# KiCad board AICORS_PCB.kicad_pcb (continued)
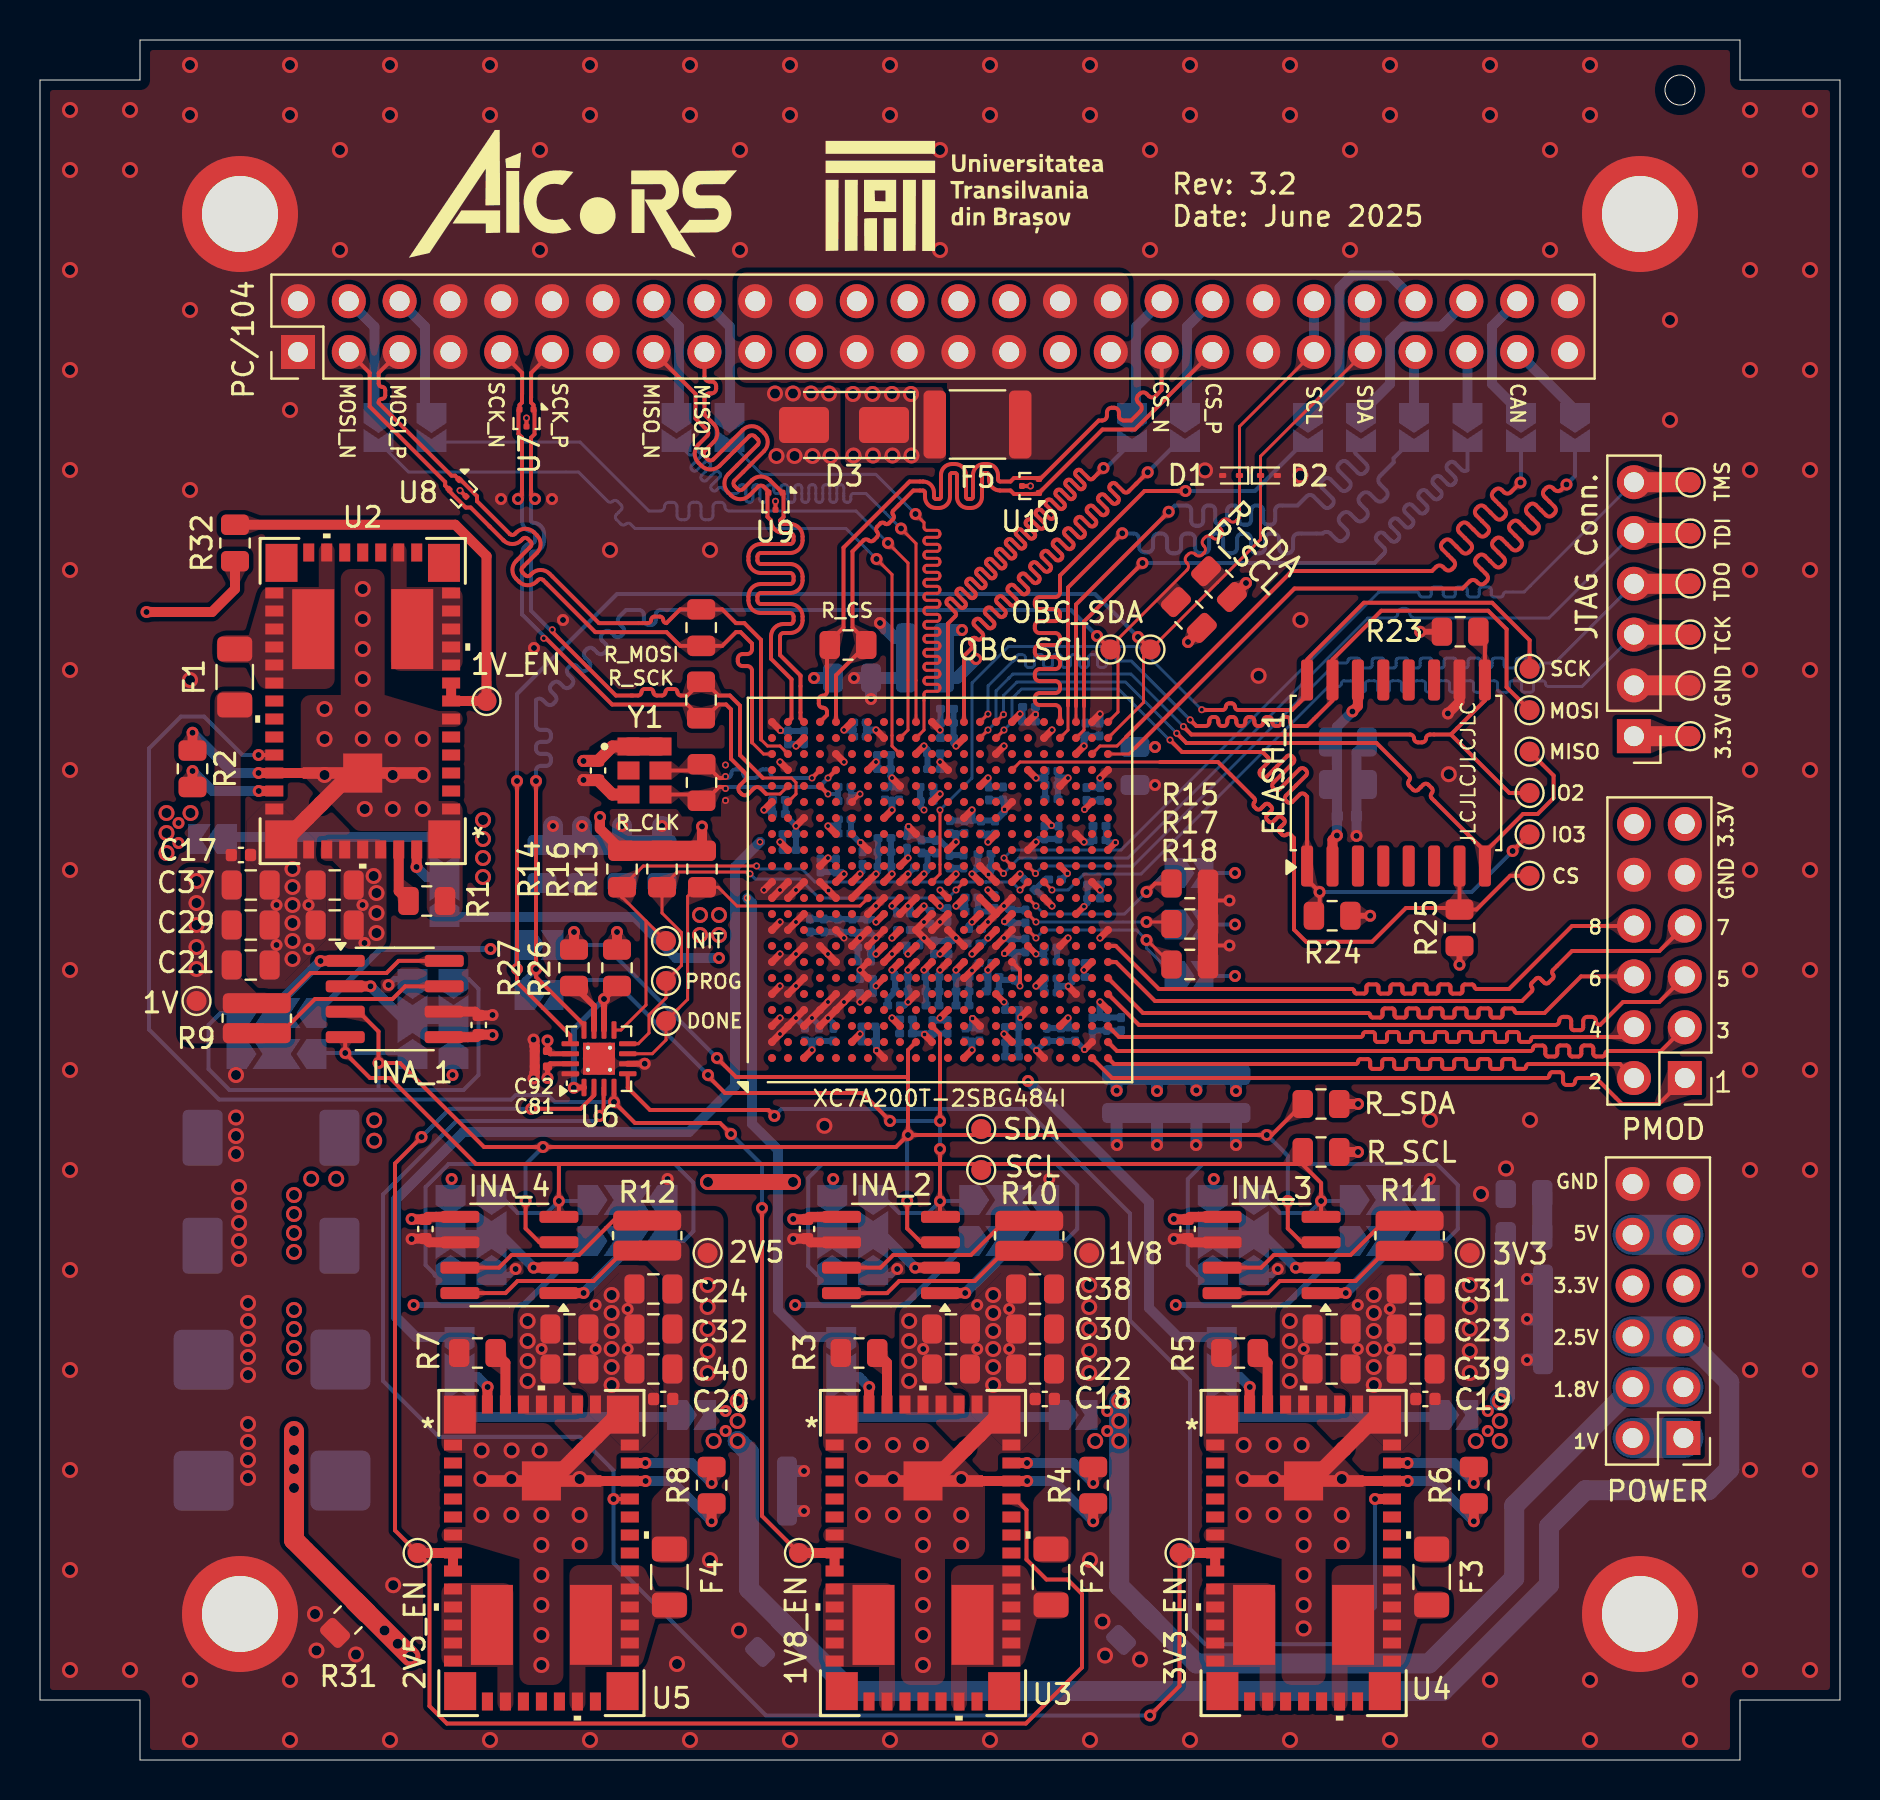
[diagram p0: board, top side]
## Routing (per net, layer and track width the routed paths; a pad name or vN(x,y) marks a point on that pad's centre or on a via; arc(x,y) is an arc through that point) (continued)
  Bottom w0.15: v1(53.18,64.6) 53.3,64.6
  Bottom w0.2: 53.3,64.6 JP18.2
CONN_7: length 38.5
  Top w0.15: U1.K21 44.2,51.5 44.2,53.29 arc(44.24,53.39) 44.34,53.43 44.85,53.43 arc(44.95,53.48) 44.99,53.57 44.99,53.64 arc(44.95,53.74) 44.85,53.78 44.34,53.78 arc(44.24,53.83) 44.2,53.92 44.2,53.99 arc(44.24,54.09) 44.34,54.13 44.85,54.13 arc(44.95,54.18) 44.99,54.27 44.99,54.34 arc(44.95,54.44) 44.85,54.48 44.34,54.48 arc(44.24,54.53) 44.2,54.62 44.2,54.69 arc(44.24,54.79) 44.34,54.83 44.85,54.83 arc(44.95,54.88) 44.99,54.97 44.99,55.04 arc(44.95,55.14) 44.85,55.18 44.34,55.18 arc(44.24,55.23) 44.2,55.32 44.2,55.39 arc(44.24,55.49) 44.34,55.53 44.85,55.53 arc(44.95,55.58) 44.99,55.67 44.99,55.74 arc(44.95,55.84) 44.85,55.88 44.34,55.88 arc(44.24,55.93) 44.2,56.02 44.2,56.09 arc(44.24,56.19) 44.34,56.23 44.85,56.23 arc(44.95,56.28) 44.99,56.37 44.99,56.44 arc(44.95,56.54) 44.85,56.58 44.34,56.58 arc(44.24,56.63) 44.2,56.72 44.2,56.79 arc(44.24,56.89) 44.34,56.93 44.85,56.93 arc(44.95,56.98) 44.99,57.07 44.99,57.14 arc(44.95,57.24) 44.85,57.28 44.34,57.28 arc(44.24,57.33) 44.2,57.42 44.2,57.49 arc(44.24,57.59) 44.34,57.63 44.85,57.63 arc(44.95,57.68) 44.99,57.77 44.99,57.84 arc(44.95,57.94) 44.85,57.98 44.34,57.98 arc(44.24,58.03) 44.2,58.12 44.2,58.19 arc(44.24,58.29) 44.34,58.33 44.85,58.33 arc(44.95,58.38) 44.99,58.47 44.99,58.54 arc(44.95,58.64) 44.85,58.68 44.34,58.68 arc(44.24,58.73) 44.2,58.82 44.2,58.89 arc(44.24,58.99) 44.34,59.03 44.85,59.03 arc(44.95,59.08) 44.99,59.17 44.99,59.24 arc(44.95,59.34) 44.85,59.38 44.34,59.38 arc(44.24,59.43) 44.2,59.52 44.2,59.59 arc(44.24,59.69) 44.34,59.73 44.85,59.73 arc(44.95,59.78) 44.99,59.87 44.99,59.94 arc(44.95,60.04) 44.85,60.08 44.34,60.08 arc(44.24,60.13) 44.2,60.22 44.2,60.29 arc(44.24,60.39) 44.34,60.43 44.85,60.43 arc(44.95,60.48) 44.99,60.57 44.99,60.64 arc(44.95,60.74) 44.85,60.78 44.34,60.78 arc(44.24,60.83) 44.2,60.92 44.2,60.99 arc(44.24,61.09) 44.34,61.13 44.85,61.13 arc(44.95,61.18) 44.99,61.27 44.99,61.34 arc(44.95,61.44) 44.85,61.48 44.34,61.48 arc(44.24,61.53) 44.2,61.62 44.2,61.88 v1(43.77,62.3)
  Bottom w0.15: v1(43.77,62.3) 41.79,64.28 36.1,64.28 JP17.2
CONN_8: length 38.5
  Top w0.15: v1(43.05,61.57) 43.8,60.82 U1.K22
  Bottom w0.15: JP16.2 32.45,65.28 arc(32.54,65.24) 32.64,65.28 32.75,65.39 arc(32.85,65.43) 32.95,65.39 33,65.34 arc(33.04,65.24) 33,65.14 32.58,64.72 arc(32.54,64.62) 32.58,64.53 32.63,64.48 arc(32.73,64.43) 32.83,64.48 33.25,64.9 arc(33.35,64.94) 33.45,64.9 33.5,64.85 arc(33.54,64.75) 33.5,64.65 33.08,64.23 arc(33.04,64.13) 33.08,64.03 33.13,63.98 arc(33.22,63.94) 33.32,63.98 33.74,64.4 arc(33.84,64.44) 33.94,64.4 33.99,64.35 arc(34.03,64.25) 33.99,64.15 33.57,63.73 arc(33.53,63.63) 33.57,63.54 33.62,63.49 arc(33.72,63.44) 33.82,63.49 33.93,63.6 arc(34.03,63.64) 34.13,63.6 34.4,63.32 34.8,63.32 arc(34.9,63.37) 34.94,63.46 34.94,63.62 arc(34.98,63.72) 35.08,63.76 35.15,63.76 arc(35.25,63.72) 35.29,63.62 35.29,63.03 arc(35.33,62.93) 35.43,62.89 35.5,62.89 arc(35.6,62.93) 35.64,63.03 35.64,63.62 arc(35.68,63.72) 35.78,63.76 35.85,63.76 arc(35.95,63.72) 35.99,63.62 35.99,63.03 arc(36.03,62.93) 36.13,62.89 36.2,62.89 arc(36.3,62.93) 36.34,63.03 36.34,63.62 arc(36.38,63.72) 36.48,63.76 36.55,63.76 arc(36.65,63.72) 36.69,63.62 36.69,63.46 arc(36.73,63.37) 36.83,63.32 36.9,63.32 arc(37,63.37) 37.04,63.46 37.04,63.62 arc(37.08,63.72) 37.18,63.76 37.25,63.76 arc(37.35,63.72) 37.39,63.62 37.39,63.03 arc(37.43,62.93) 37.53,62.89 37.6,62.89 arc(37.7,62.93) 37.74,63.03 37.74,63.62 arc(37.78,63.72) 37.88,63.76 37.95,63.76 arc(38.05,63.72) 38.09,63.62 38.09,63.03 arc(38.13,62.93) 38.23,62.89 38.3,62.89 arc(38.4,62.93) 38.44,63.03 38.44,63.62 arc(38.48,63.72) 38.58,63.76 38.65,63.76 arc(38.75,63.72) 38.79,63.62 38.79,63.03 arc(38.83,62.93) 38.93,62.89 39,62.89 arc(39.1,62.93) 39.14,63.03 39.14,63.62 arc(39.18,63.72) 39.28,63.76 39.35,63.76 arc(39.45,63.72) 39.49,63.62 39.49,63.03 arc(39.53,62.93) 39.63,62.89 39.7,62.89 arc(39.8,62.93) 39.84,63.03 39.84,63.62 arc(39.88,63.72) 39.98,63.76 40.05,63.76 arc(40.15,63.72) 40.19,63.62 40.19,63.03 arc(40.23,62.93) 40.33,62.89 40.4,62.89 arc(40.5,62.93) 40.54,63.03 40.54,63.18 arc(40.58,63.28) 40.68,63.32 41.3,63.32 v1(43.05,61.57)
CONN_9: length 38.5
  Top w0.15: v1(42.4,60.85) 43.4,59.85 43.4,51.5 U1.J21
  Bottom w0.15: JP15.2 27,65.9 30.45,62.45 31.01,62.45 arc(31.16,62.51) 31.23,62.67 arc(31.29,62.82) 31.44,62.88 31.63,62.88 arc(31.79,62.82) 31.85,62.67 31.85,62.23 arc(31.91,62.08) 32.07,62.01 32.23,62.01 arc(32.38,62.08) 32.45,62.23 32.45,62.67 arc(32.51,62.82) 32.67,62.89 32.83,62.89 arc(32.98,62.82) 33.05,62.67 33.05,62.23 arc(33.11,62.08) 33.27,62.01 33.43,62.01 arc(33.58,62.08) 33.65,62.23 33.65,62.67 arc(33.71,62.82) 33.87,62.88 34.03,62.88 arc(34.19,62.82) 34.25,62.67 arc(34.31,62.51) 34.47,62.45 40.8,62.45 v1(42.4,60.85)
CONN_10: length 38.5
  Top w0.15: U1.J20 42.6,50.7 42.6,59.27 v1(41.82,60.05)
  Bottom w0.15: JP14.2 18.43,64.4 26.93,64.4 28.39,62.93 arc(28.51,62.88) 28.63,62.93 arc(28.75,62.98) 28.87,62.93 29.06,62.75 arc(29.11,62.63) 29.06,62.51 28.82,62.27 arc(28.77,62.15) 28.82,62.03 29.05,61.79 arc(29.17,61.74) 29.29,61.79 arc(29.41,61.84) 29.53,61.79 29.75,61.57 40.3,61.57 v1(41.82,60.05)
FPAG_DONE: length 19.6
  Top w0.15: U1.G11 41,42.7 34.85,42.7 33.91,43.64 R13.2 32.84,43.64 32.38,43.18 32.38,38.03 TP5.1 31.3,36 30.61,35.31 U6.7
FPAG_M0: length 9.9
  Top w0.15: U1.U11 v2(49.8,42.7)
  Top w0.2: v1(55.32,43.4) 55.75,43.82 R15.2
  Bottom w0.15: v2(49.8,42.7) 50.2,42.3 54.22,42.3 v1(55.32,43.4)
  Bottom w0.2: JP9.1 56.27,44.35 v1(55.32,43.4)
FPGA_INIT: length 31.9
  Top w0.15: U1.U12 v2(49,43.5) ; 29.1,43.1 R14.2 30.16,44.7 v2(35.83,44.7) ; TP7.1 29.1,43.15 ; U6.9 29.05,36.5 30.3,37.75 30.3,41.95
  Top w0.2: 29.1,43.15 R14.2
  Bottom w0.15: v2(49,43.5) 48.6,43.9 47.3,43.9 38.75,43.9 38.1,44.55 35.98,44.55 v2(35.83,44.7)
FPGA_M1: length 8.8
  Top w0.15: R17.2 56.48,41.9 v1(55.32,41.9) ; U1.U10 v2(49.8,41.9)
  Bottom w0.15: v2(49.8,41.9) v1(55.32,41.9) 56.6,41.9 JP10.1
FPGA_M2: length 10.6
  Top w0.15: v1(55.32,41) 55.35,41 R18.2 ; U1.U9 v2(49.8,41.1)
  Bottom w0.15: v2(49.8,41.1) 50.2,41.5 54.82,41.5 v1(55.32,41) 55.32,40.6 JP11.1
FPGA_PROGB: length 25.9
  Top w0.15: U6.8 29.91,35.81 30.45,36.35 30.45,37.25 31.3,38.1 TP8.1 32.07,39.72 32.07,41.38 31.1,42.35 R16.2 31.86,44.4 35.41,44.4 v2(35.5,44.31) ; U1.N12 v2(45.8,43.5)
  Bottom w0.15: v2(45.8,43.5) 45.4,43.1 38.95,43.1 38,44.05 35.76,44.05 v2(35.5,44.31)
GPIO_1: length 32
  Top w0.2: U1.AA1 53.6,34.1 75.33,34.1 arc(75.43,34.14) 75.47,34.25 arc(75.52,34.35) 75.62,34.39 76.01,34.39 arc(76.11,34.35) 76.15,34.25 76.15,33.92 arc(76.2,33.8) 76.33,33.75 76.58,33.75 arc(76.7,33.8) 76.75,33.92 arc(76.8,34.05) 76.93,34.1 77.8,34.1 79.1,32.8 80.94,32.8 J3.1
GPIO_2: length 32
  Top w0.2: J3.2 79,34.8 74.43,34.8 arc(74.34,34.76) 74.31,34.68 arc(74.27,34.59) 74.19,34.56 73.83,34.56 arc(73.74,34.59) 73.71,34.68 73.71,34.92 arc(73.67,35.01) 73.59,35.05 73.23,35.05 arc(73.14,35.01) 73.11,34.92 73.11,34.68 arc(73.07,34.59) 72.99,34.55 72.63,34.55 arc(72.54,34.59) 72.51,34.68 72.51,34.92 arc(72.47,35.01) 72.39,35.05 72.03,35.05 arc(71.94,35.01) 71.91,34.92 71.91,34.68 arc(71.87,34.59) 71.79,34.55 71.43,34.55 arc(71.34,34.59) 71.31,34.68 71.31,34.92 arc(71.27,35.01) 71.19,35.05 70.83,35.05 arc(70.74,35.01) 70.71,34.92 70.71,34.68 arc(70.67,34.59) 70.59,34.55 70.23,34.55 arc(70.14,34.59) 70.11,34.68 70.11,34.92 arc(70.07,35.01) 69.99,35.05 69.63,35.05 arc(69.54,35.01) 69.51,34.92 69.51,34.68 arc(69.47,34.59) 69.39,34.55 69.03,34.55 arc(68.94,34.59) 68.91,34.68 68.91,34.92 arc(68.87,35.01) 68.79,35.05 68.43,35.05 arc(68.34,35.01) 68.31,34.92 68.31,34.68 arc(68.27,34.59) 68.19,34.55 67.83,34.55 arc(67.74,34.59) 67.71,34.68 67.71,34.92 arc(67.67,35.01) 67.59,35.05 67.23,35.05 arc(67.14,35.01) 67.11,34.92 67.11,34.68 arc(67.07,34.59) 66.99,34.55 66.63,34.55 arc(66.54,34.59) 66.51,34.68 66.51,34.92 arc(66.47,35.01) 66.39,35.04 66.03,35.04 arc(65.94,35.01) 65.91,34.92 arc(65.87,34.84) 65.78,34.8 53.7,34.8 U1.AB1
GPIO_3: length 32
  Top w0.2: J3.3 81.05,35.45 78.4,35.45 arc(78.31,35.41) 78.27,35.31 arc(78.23,35.22) 78.13,35.18 77.8,35.18 arc(77.71,35.22) 77.67,35.31 77.67,35.59 arc(77.62,35.69) 77.53,35.73 77.2,35.73 arc(77.11,35.69) 77.07,35.59 77.07,35.31 arc(77.02,35.21) 76.93,35.17 76.6,35.17 arc(76.51,35.21) 76.47,35.31 76.47,35.59 arc(76.42,35.69) 76.33,35.73 76,35.73 arc(75.91,35.69) 75.87,35.59 75.87,35.31 arc(75.82,35.21) 75.73,35.17 75.4,35.17 arc(75.31,35.21) 75.27,35.31 75.27,35.59 arc(75.23,35.68) 75.13,35.72 74.79,35.72 arc(74.69,35.68) 74.65,35.59 arc(74.61,35.49) 74.52,35.45 53.85,35.45 U1.AB2
GPIO_4: length 32
  Top w0.2: U1.AB3 53.95,36.15 66.03,36.15 arc(66.11,36.19) 66.15,36.27 arc(66.19,36.36) 66.27,36.4 66.63,36.4 arc(66.72,36.36) 66.75,36.27 66.75,36.03 arc(66.79,35.94) 66.87,35.9 67.23,35.9 arc(67.32,35.94) 67.35,36.03 67.35,36.27 arc(67.39,36.36) 67.47,36.4 67.83,36.4 arc(67.92,36.36) 67.95,36.27 67.95,36.03 arc(67.99,35.94) 68.07,35.9 68.43,35.9 arc(68.52,35.94) 68.55,36.03 68.55,36.27 arc(68.59,36.36) 68.67,36.4 69.03,36.4 arc(69.12,36.36) 69.15,36.27 69.15,36.03 arc(69.19,35.94) 69.27,35.9 69.63,35.9 arc(69.72,35.94) 69.75,36.03 69.75,36.27 arc(69.79,36.36) 69.87,36.4 70.23,36.4 arc(70.32,36.36) 70.35,36.27 70.35,36.03 arc(70.39,35.94) 70.47,35.9 70.83,35.9 arc(70.92,35.94) 70.95,36.03 70.95,36.27 arc(70.99,36.36) 71.07,36.4 71.43,36.4 arc(71.52,36.36) 71.55,36.27 71.55,36.03 arc(71.59,35.94) 71.67,35.9 72.03,35.9 arc(72.12,35.94) 72.15,36.03 72.15,36.27 arc(72.19,36.36) 72.27,36.4 72.63,36.4 arc(72.72,36.36) 72.75,36.27 72.75,36.03 arc(72.79,35.94) 72.87,35.9 73.23,35.9 arc(73.32,35.94) 73.35,36.03 73.35,36.27 arc(73.39,36.36) 73.47,36.4 73.83,36.4 arc(73.92,36.36) 73.95,36.27 73.95,36.03 arc(73.99,35.94) 74.07,35.9 74.43,35.9 arc(74.52,35.94) 74.55,36.03 arc(74.59,36.11) 74.67,36.15 79.21,36.15 J3.4
GPIO_5: length 32
  Top w0.2: U1.AB5 54.95,36.75 75.76,36.75 arc(75.9,36.81) 75.96,36.95 arc(76.02,37.1) 76.16,37.16 76.36,37.16 arc(76.5,37.1) 76.56,36.95 76.56,36.62 arc(76.6,36.53) 76.69,36.49 77.03,36.49 arc(77.12,36.53) 77.16,36.62 77.16,36.95 arc(77.22,37.1) 77.36,37.16 77.59,37.16 arc(77.74,37.1) 77.8,36.95 arc(77.86,36.81) 78,36.75 79.15,37.9 80.96,37.9 J3.5
GPIO_6: length 32
  Top w0.2: J3.6 77.06,39.18 75.22,37.35 73.84,37.35 arc(73.76,37.38) 73.72,37.46 arc(73.69,37.54) 73.61,37.58 73.24,37.58 arc(73.16,37.54) 73.12,37.46 73.12,37.24 arc(73.09,37.15) 73.01,37.12 72.64,37.12 arc(72.56,37.15) 72.52,37.24 72.52,37.46 arc(72.49,37.55) 72.41,37.58 72.04,37.58 arc(71.96,37.55) 71.92,37.46 71.92,37.24 arc(71.89,37.15) 71.81,37.12 71.44,37.12 arc(71.36,37.15) 71.32,37.24 71.32,37.46 arc(71.29,37.55) 71.21,37.58 70.84,37.58 arc(70.76,37.55) 70.72,37.46 70.72,37.24 arc(70.69,37.15) 70.61,37.12 70.24,37.12 arc(70.16,37.15) 70.12,37.24 70.12,37.46 arc(70.09,37.55) 70.01,37.58 69.64,37.58 arc(69.56,37.55) 69.52,37.46 69.52,37.24 arc(69.49,37.15) 69.41,37.12 69.04,37.12 arc(68.96,37.15) 68.92,37.24 68.92,37.46 arc(68.89,37.55) 68.81,37.58 68.44,37.58 arc(68.36,37.55) 68.32,37.46 68.32,37.24 arc(68.29,37.15) 68.21,37.12 67.84,37.12 arc(67.76,37.15) 67.72,37.24 67.72,37.46 arc(67.69,37.55) 67.61,37.58 67.24,37.58 arc(67.16,37.55) 67.12,37.46 67.12,37.24 arc(67.09,37.16) 67.01,37.12 66.63,37.12 arc(66.55,37.16) 66.51,37.24 arc(66.48,37.32) 66.4,37.35 55.15,37.35 U1.AB6
GPIO_7: length 32
  Top w0.2: U1.AB7 53.8,39.9 55.75,37.95 74.1,37.95 74.59,38.44 arc(74.63,38.54) 74.59,38.64 arc(74.54,38.74) 74.59,38.85 74.81,39.07 arc(74.91,39.11) 75.01,39.07 75.22,38.86 arc(75.32,38.82) 75.42,38.86 75.64,39.08 arc(75.69,39.18) 75.64,39.29 arc(75.6,39.39) 75.64,39.49 76.6,40.45 80.97,40.45 J3.7
GPIO_8: length 32
  Top w0.2: U1.AB8 53.79,40.7 55.94,38.55 65.6,38.55 arc(65.68,38.52) 65.71,38.44 arc(65.74,38.36) 65.82,38.32 66.21,38.32 arc(66.29,38.36) 66.32,38.44 66.32,38.66 arc(66.36,38.75) 66.44,38.78 66.81,38.78 arc(66.89,38.75) 66.92,38.66 66.92,38.44 arc(66.96,38.35) 67.04,38.32 67.41,38.32 arc(67.49,38.35) 67.52,38.44 67.52,38.66 arc(67.56,38.75) 67.64,38.78 68.01,38.78 arc(68.09,38.75) 68.12,38.66 68.12,38.44 arc(68.16,38.35) 68.24,38.32 68.61,38.32 arc(68.69,38.35) 68.72,38.44 68.72,38.66 arc(68.76,38.75) 68.84,38.78 69.21,38.78 arc(69.29,38.75) 69.32,38.66 69.32,38.44 arc(69.36,38.35) 69.44,38.32 69.81,38.32 arc(69.89,38.35) 69.92,38.44 69.92,38.66 arc(69.96,38.75) 70.04,38.78 70.41,38.78 arc(70.49,38.75) 70.52,38.66 70.52,38.44 arc(70.56,38.35) 70.64,38.32 71.01,38.32 arc(71.09,38.35) 71.12,38.44 71.12,38.66 arc(71.15,38.74) 71.24,38.78 71.61,38.78 arc(71.69,38.74) 71.72,38.66 arc(71.75,38.58) 71.84,38.55 73.45,38.55 76.6,41.7 79.68,41.7 J3.8
I2C_RESET: length 8.1
  Top w0.3: U6.10 v1(28.2,38.05) R26.1 ; v1(26.69,33.61) 26.7,33.62 U6.1
  Bottom w0.3: v1(26.69,33.61) 26.69,36.54 v1(28.2,38.05)
IIC_SCL: length 110.4
  Top w0.2: INA_2.4 45,27.18 v1(45,27.94) 45,29.8 ; 25.95,29.8 45,29.8 ; 25.95,29.8 25.95,29.8 v1(25.95,27.95) INA_4.4 ; 25.95,29.8 21.8,29.8 17.5,34.1 16.5,34.1 15.26,35.34 v1(15.26,35.35) INA_1.4 ; 45,29.8 63.11,29.8 64.06,28.85 v1(64.06,27.95) INA_3.4 ; 45,29.8 v1(45,30.55) ; U1.L3 45,36.3 v1(45,31.95) ; 33.4,34.2 34.25,33.35 41.11,33.35 42.5,31.96 v1(42.5,31.95)
  Top w0.3: v1(33.4,34.25) 33.4,34.2
  Bottom w0.15: 25.68,38.47 25.68,38.25
  Bottom w0.2: v1(33.4,34.25) 28.65,39 26.2,39 25.68,38.47 ; 42.06,28.25 42.96,27.35 44.41,27.35 v1(45,27.94) ; 18.23,35.05 17.93,35.35 v1(15.26,35.35) 13.88,35.35 ; 46.41,27.95 45.01,27.95 v1(45,27.94) ; v1(45,30.55) v1(45,31.95) v1(42.5,31.95) ; v1(45,27.94) 45,27.92 ; 27.33,27.95 v1(25.95,27.95) 25.35,27.35 23.88,27.35 22.98,28.25 ; 65.44,27.95 v1(64.06,27.95) 63.46,27.35 61.99,27.35 61.09,28.25
  Bottom w0.3: 65.44,27.95 A1_3.3 ; 27.33,27.95 A1_4.3 ; A0_2.3 42.06,28.25 ; A0_3.3 61.09,28.25 ; 46.41,27.95 A1_2.3 ; 13.88,35.35 A1_1.3 ; A0_1.3 18.23,35.05 ; A0_4.3 22.98,28.25
IIC_SCL_OBC: length 86.2
  Top w0.15: J1.41 59.98,66.67 59.98,62.12 59.81,61.96 arc(59.64,61.89) 59.48,61.96 59.45,61.99 arc(59.28,62.06) 59.11,61.99 59.03,61.9 arc(58.96,61.73) 59.03,61.56 59.05,61.54 arc(59.12,61.37) 59.05,61.2 58.97,61.12 arc(58.8,61.05) 58.63,61.12 58.6,61.14 arc(58.43,61.21) 58.26,61.14 58.18,61.05 arc(58.11,60.88) 58.18,60.72 58.2,60.69 arc(58.27,60.52) 58.2,60.35 58.12,60.27 arc(57.95,60.2) 57.78,60.27 57.75,60.29 arc(57.58,60.36) 57.42,60.29 57.33,60.21 arc(57.26,60.04) 57.33,59.87 57.35,59.84 arc(57.42,59.67) 57.35,59.5 53.9,56.05 53.9,52.4 U1.AB22
  Top w0.2: U6.12 27.2,36.75 24.8,39.15 v1(24.8,39.55) v1(24.8,48.95) ; TP19.1 v1(52.85,56.2)
  Bottom w0.2: v1(52.85,56.2) 51.55,57.5 31.03,57.5 arc(30.86,57.43) 30.79,57.26 30.79,56.99 arc(30.72,56.83) 30.55,56.75 30.43,56.75 arc(30.26,56.83) 30.19,56.99 30.19,57.26 arc(30.12,57.43) 29.95,57.5 29.3,57.5 28.96,57.16 arc(28.89,56.99) 28.96,56.82 29.15,56.63 arc(29.22,56.46) 29.15,56.29 29.06,56.21 arc(28.89,56.14) 28.72,56.21 28.53,56.39 arc(28.36,56.46) 28.19,56.39 28.11,56.31 arc(28.04,56.14) 28.11,55.97 28.3,55.78 arc(28.37,55.61) 28.3,55.44 28.21,55.36 arc(28.04,55.29) 27.87,55.36 27.68,55.55 arc(27.52,55.62) 27.35,55.55 27.26,55.46 arc(27.19,55.29) 27.26,55.12 27.45,54.93 arc(27.52,54.76) 27.45,54.59 27.36,54.51 arc(27.19,54.44) 27.02,54.51 26.84,54.7 arc(26.67,54.77) 26.5,54.7 26.41,54.61 arc(26.34,54.44) 26.41,54.27 26.6,54.09 arc(26.67,53.92) 26.6,53.75 26.51,53.66 arc(26.35,53.59) 26.18,53.66 25.99,53.85 arc(25.82,53.92) 25.65,53.85 25.56,53.76 arc(25.49,53.59) 25.56,53.42 25.75,53.24 arc(25.82,53.07) 25.75,52.9 25.67,52.81 arc(25.5,52.74) 25.33,52.81 25.14,53 arc(24.97,53.07) 24.8,53 24.8,51.75 arc(24.87,51.58) 25.04,51.51 25.31,51.51 arc(25.47,51.44) 25.55,51.27 25.55,51.15 arc(25.47,50.98) 25.31,50.91 25.04,50.91 arc(24.87,50.84) 24.8,50.67 24.8,50.55 arc(24.87,50.38) 25.04,50.31 25.31,50.31 arc(25.47,50.24) 25.55,50.07 25.55,49.95 arc(25.47,49.78) 25.31,49.71 25.04,49.71 arc(24.87,49.64) 24.8,49.47 v1(24.8,48.95)
  Bottom w0.3: v1(24.8,39.55) 24.23,38.97 JP13.1
  Bottom w0.5: J1.41 J1.42
IIC_SDA: length 194.3
  Top w0.2: v1(33.85,35.1) 34.8,34.15 43.4,34.15 ; v1(43.4,31.25) 43.4,34.15 ; v1(43.4,31.25) 42.8,30.65 v1(25.15,30.65) 22.2,30.65 18,34.85 v1(16.93,34.85) 16.93,36.42 15.93,37.41 INA_1.3 ; v1(43.4,31.25) v1(61.34,31.25) 61.59,31.25 R20.1 ; 43.4,34.15 43.4,35.5 U1.K2 ; 45.02,25.88 44.05,25.88 43.36,26.58 v1(43.36,27.95) ; 64.06,25.88 63.08,25.88 62.39,26.58 v1(62.39,27.95) ; v1(24.28,27.95) 24.28,26.58 24.97,25.89 INA_4.3
  Bottom w0.2: A1_2.2 51.26,25.95 51.86,26.55 51.86,28.75 50.81,29.8 39.11,29.8 38.41,29.1 38.41,24.69 38.85,24.25 A0_2.2 ; 25.68,40.75 28.2,40.75 v1(33.85,35.1) ; v1(43.4,31.25) 43.36,31.21 v1(43.36,27.95) ; v1(62.39,27.95) 62.39,30.21 61.35,31.25 v1(61.34,31.25) ; v1(24.28,27.95) 24.28,29.78 v1(25.15,30.65) ; A1_3.2 70.29,25.95 70.89,26.55 70.89,28.75 69.84,29.8 58.14,29.8 57.39,29.05 57.39,24.74 57.89,24.25 A0_3.2 ; 16.93,33.5 v1(16.93,34.85) ; A1_4.2 32.18,25.95 32.67,26.44 32.67,28.86 31.73,29.8 20.43,29.8 19.28,28.65 19.28,24.75 19.78,24.25 ; A0_1.2 21.43,39.05 21.93,38.55 21.93,34.25 21.18,33.5 9.48,33.5 8.43,34.55 8.43,36.75 9.03,37.35 A1_1.2
  Bottom w0.3: A0_4.2 19.78,24.25
IIC_SDA_OBC: length 82
  Top w0.15: U1.AB21 55.18,52.88 55.18,55.17 61.02,61.02 61.02,65.18 J1.43
  Top w0.2: TP18.1 v1(54.9,56.15) ; v1(23.85,48.95) 23.85,38.9 26.51,36.24 U6.13
  Bottom w0.2: v1(54.9,56.15) 52.75,58.3 28.85,58.3 23.85,53.3 v1(23.85,48.95)
  Bottom w0.3: v1(23.85,39.55) 23.85,40.38 JP12.1
  Bottom w0.5: J1.43 J1.44
JTAG_TCK: length 45.3
  Top w0.15: U1.V12 v2(50.6,43.5)
  Top w1: 79.69,56.27 J2.3 82.53,56.27 TP9.1
  Bottom w0.15: J2.3 77.1,53.67 75.42,53.67 arc(75.32,53.72) 75.27,53.82 arc(75.23,53.92) 75.13,53.96 74.82,53.96 arc(74.72,53.92) 74.67,53.82 74.67,53.53 arc(74.63,53.43) 74.53,53.39 74.22,53.39 arc(74.12,53.43) 74.07,53.53 74.07,53.82 arc(74.03,53.92) 73.93,53.96 73.62,53.96 arc(73.52,53.92) 73.47,53.82 73.47,53.53 arc(73.43,53.43) 73.33,53.39 73.02,53.39 arc(72.92,53.43) 72.87,53.53 72.87,53.82 arc(72.83,53.92) 72.73,53.96 72.42,53.96 arc(72.32,53.92) 72.27,53.82 72.27,53.53 arc(72.23,53.43) 72.13,53.39 71.82,53.39 arc(71.72,53.43) 71.67,53.53 71.67,53.82 arc(71.63,53.92) 71.53,53.96 71.22,53.96 arc(71.12,53.92) 71.07,53.82 71.07,53.53 arc(71.03,53.43) 70.93,53.39 70.62,53.39 arc(70.52,53.43) 70.47,53.53 70.47,53.82 arc(70.43,53.92) 70.33,53.96 70.02,53.96 arc(69.92,53.92) 69.87,53.82 69.87,53.53 arc(69.83,53.43) 69.73,53.39 69.42,53.39 arc(69.32,53.43) 69.27,53.53 69.27,53.82 arc(69.23,53.92) 69.13,53.96 68.82,53.96 arc(68.72,53.92) 68.67,53.82 68.67,53.53 arc(68.63,53.43) 68.53,53.39 68.22,53.39 arc(68.12,53.43) 68.07,53.53 68.07,53.82 arc(68.03,53.92) 67.93,53.96 67.62,53.96 arc(67.52,53.92) 67.47,53.82 67.47,53.53 arc(67.43,53.43) 67.33,53.39 67.02,53.39 arc(66.92,53.43) 66.87,53.53 66.87,53.82 arc(66.83,53.92) 66.73,53.96 66.42,53.96 arc(66.32,53.92) 66.27,53.82 66.27,53.53 arc(66.23,53.43) 66.13,53.39 65.82,53.39 arc(65.72,53.43) 65.67,53.53 65.67,53.82 arc(65.63,53.92) 65.53,53.96 65.21,53.96 arc(65.11,53.92) 65.07,53.82 arc(65.03,53.72) 64.92,53.67 64.43,53.67 55.05,44.3 52.2,44.3 51.4,43.5 v2(50.6,43.5)
JTAG_TDI: length 42.5
  Top w0.2: U1.R13 v2(48.18,44.32)
  Top w1: J2.5 82.5,61.35 TP4.1
  Bottom w0.15: J2.5 75.44,57.1 68.73,57.1 arc(68.56,57.17) 68.49,57.34 arc(68.42,57.51) 68.25,57.58 68.13,57.58 arc(67.96,57.51) 67.89,57.34 arc(67.82,57.17) 67.65,57.1 66.4,57.1 54.4,45.1 48.95,45.1 v2(48.18,44.32)
JTAG_TDO: length 45.3
  Top w0.15: U1.U13 v2(49.77,44.32)
  Top w1: TP6.1 82.51,58.81 J2.4 79.69,58.8
  Bottom w0.15: v2(49.77,44.32) 50.15,44.7 54.65,44.7 64.8,54.85 65.28,54.85 arc(65.37,54.89) 65.4,54.97 arc(65.44,55.06) 65.52,55.09 65.88,55.09 arc(65.97,55.06) 66,54.97 66,54.73 arc(66.04,54.64) 66.13,54.61 66.48,54.61 arc(66.57,54.64) 66.6,54.73 66.6,54.97 arc(66.64,55.06) 66.73,55.09 67.08,55.09 arc(67.17,55.06) 67.2,54.97 67.2,54.73 arc(67.24,54.64) 67.33,54.61 67.68,54.61 arc(67.77,54.64) 67.8,54.73 67.8,54.97 arc(67.84,55.06) 67.93,55.09 68.28,55.09 arc(68.37,55.06) 68.4,54.97 68.4,54.73 arc(68.44,54.64) 68.53,54.61 68.88,54.61 arc(68.97,54.64) 69,54.73 69,54.97 arc(69.04,55.06) 69.13,55.09 69.48,55.09 arc(69.57,55.06) 69.6,54.97 69.6,54.73 arc(69.64,54.64) 69.73,54.61 70.08,54.61 arc(70.17,54.64) 70.2,54.73 70.2,54.97 arc(70.24,55.06) 70.33,55.09 70.68,55.09 arc(70.77,55.06) 70.8,54.97 70.8,54.73 arc(70.84,54.64) 70.93,54.61 71.28,54.61 arc(71.37,54.64) 71.4,54.73 71.4,54.97 arc(71.44,55.06) 71.53,55.09 71.88,55.09 arc(71.97,55.06) 72,54.97 72,54.73 arc(72.04,54.64) 72.13,54.61 72.48,54.61 arc(72.57,54.64) 72.6,54.73 72.6,54.97 arc(72.64,55.06) 72.73,55.09 73.08,55.09 arc(73.17,55.06) 73.2,54.97 73.2,54.73 arc(73.24,54.64) 73.33,54.61 73.68,54.61 arc(73.77,54.64) 73.8,54.73 73.8,54.97 arc(73.84,55.06) 73.93,55.09 74.28,55.09 arc(74.37,55.06) 74.4,54.97 74.4,54.73 arc(74.44,54.64) 74.53,54.61 74.88,54.61 arc(74.97,54.64) 75,54.73 arc(75.04,54.81) 75.13,54.85 75.73,54.85 J2.4
JTAG_TMS: length 45.3
  Top w0.15: U1.T13 v2(48.2,45.1)
  Top w1: 79.68,63.88 J2.6 82.51,63.89 TP3.1
  Bottom w0.15: J2.6 74.2,58.4 73.29,58.4 arc(73.2,58.36) 73.16,58.27 arc(73.13,58.19) 73.04,58.15 72.69,58.15 arc(72.6,58.19) 72.56,58.27 72.56,58.52 arc(72.53,58.61) 72.44,58.65 72.09,58.65 arc(72,58.61) 71.96,58.52 71.96,58.27 arc(71.93,58.19) 71.84,58.15 71.49,58.15 arc(71.4,58.19) 71.36,58.27 71.36,58.52 arc(71.33,58.61) 71.24,58.65 70.89,58.65 arc(70.8,58.61) 70.76,58.52 70.76,58.27 arc(70.73,58.19) 70.64,58.15 70.29,58.15 arc(70.2,58.19) 70.16,58.27 70.16,58.52 arc(70.13,58.61) 70.04,58.65 69.69,58.65 arc(69.6,58.61) 69.56,58.52 69.56,58.27 arc(69.53,58.19) 69.44,58.15 69.09,58.15 arc(69,58.19) 68.96,58.27 arc(68.93,58.36) 68.84,58.4 66.95,58.4 54.05,45.5 48.6,45.5 v2(48.2,45.1)
SPI_1_CS_FLASH: length 38.2
  Top w0.15: U1.T19 49,49.9 56,49.9
  Top w0.2: R25.2 71.82,42.52 73.5,44.21 TP17.1 ; 56,49.9 58.9,49.9 60.71,48.09 arc(60.76,47.98) 60.71,47.88 arc(60.67,47.77) 60.71,47.67 60.82,47.56 arc(60.92,47.51) 61.03,47.56 61.24,47.77 arc(61.35,47.82) 61.46,47.77 61.56,47.67 arc(61.61,47.56) 61.56,47.45 61.35,47.24 arc(61.3,47.13) 61.35,47.02 61.45,46.92 arc(61.56,46.88) 61.66,46.92 61.88,47.14 arc(61.99,47.18) 62.1,47.14 62.2,47.03 arc(62.24,46.93) 62.2,46.82 61.98,46.6 arc(61.94,46.5) 61.98,46.39 62.11,46.27 arc(62.21,46.22) 62.32,46.27 arc(62.43,46.31) 62.53,46.27 62.7,46.1 62.7,41.52 63.31,40.91 66.61,40.91 68.29,42.6 70.97,42.6 FLASH_1.7
SPI_1_IO2: length 38.6
  Top w0.15: U1.P21 v2(47.4,51.5)
  Top w0.2: TP15.1 73.47,48.35 70.54,51.27 ; 70.54,51.27 69.5,51.27 arc(69.36,51.22) 69.3,51.08 arc(69.24,50.94) 69.1,50.88 68.9,50.88 arc(68.76,50.94) 68.7,51.08 arc(68.64,51.22) 68.5,51.27 57.57,51.27 v2(57.17,51.67) ; 70.54,51.27 72.25,52.98 FLASH_1.9 72.25,56.09 R23.2
  Bottom w0.15: v2(47.4,51.5) 47.8,51.9 47.8,53.45 48.65,54.3 54.54,54.3 v2(57.17,51.67)
SPI_1_IO3: length 45.5
  Top w0.15: U1.R21 v2(48.2,51.5)
  Top w0.2: v2(56.5,51) 57.1,50.4 61.13,50.4 61.4,50.13 arc(61.45,50) 61.4,49.87 61.02,49.49 arc(60.97,49.37) 61.02,49.24 61.09,49.17 arc(61.21,49.12) 61.34,49.17 62.35,50.18 arc(62.48,50.24) 62.6,50.18 62.67,50.12 arc(62.72,49.99) 62.67,49.87 61.66,48.86 arc(61.61,48.73) 61.66,48.6 61.72,48.54 arc(61.85,48.49) 61.98,48.54 62.99,49.55 arc(63.11,49.6) 63.24,49.55 63.3,49.48 arc(63.36,49.36) 63.3,49.23 62.29,48.22 arc(62.24,48.09) 62.29,47.97 62.36,47.9 arc(62.49,47.85) 62.61,47.9 62.99,48.28 arc(63.12,48.33) 63.25,48.28 63.35,48.17 FLASH_1.1 63.35,44.02 v1(63.98,43.4) 63.98,42.5 R24.2 ; v1(73.63,45.45) 74.46,46.28 TP16.1
  Bottom w0.15: v2(48.2,51.5) 48.6,51.9 48.6,53.07 49.07,53.55 53.93,53.55 56.48,51 v2(56.5,51)
  Bottom w0.2: v1(63.98,43.4) 71.58,43.4 v1(73.63,45.45)
SPI_1_MISO_IO1: length 39.1
  Top w0.15: U1.R22 v2(48.18,52.27)
  Top w0.2: TP14.1 75.68,49.22 75.68,48.1 74.88,47.3 74.15,47.3 72.25,45.39 FLASH_1.8 72.25,45.43 69.59,48.09 arc(69.53,48.22) 69.59,48.34 arc(69.64,48.47) 69.59,48.6 69.42,48.77 arc(69.29,48.82) 69.16,48.77 68.91,48.51 arc(68.78,48.46) 68.65,48.51 68.45,48.71 arc(68.4,48.84) 68.45,48.97 arc(68.5,49.1) 68.45,49.22 66.82,50.85 57.32,50.85 v2(56.84,51.34)
  Bottom w0.15: v2(56.84,51.34) 54.27,53.9 48.85,53.9 48.18,53.22 v2(48.18,52.27)
